# KiCad board [DFR1142]Lite Carrier for LattePanda Mu.kicad_pcb (continued)
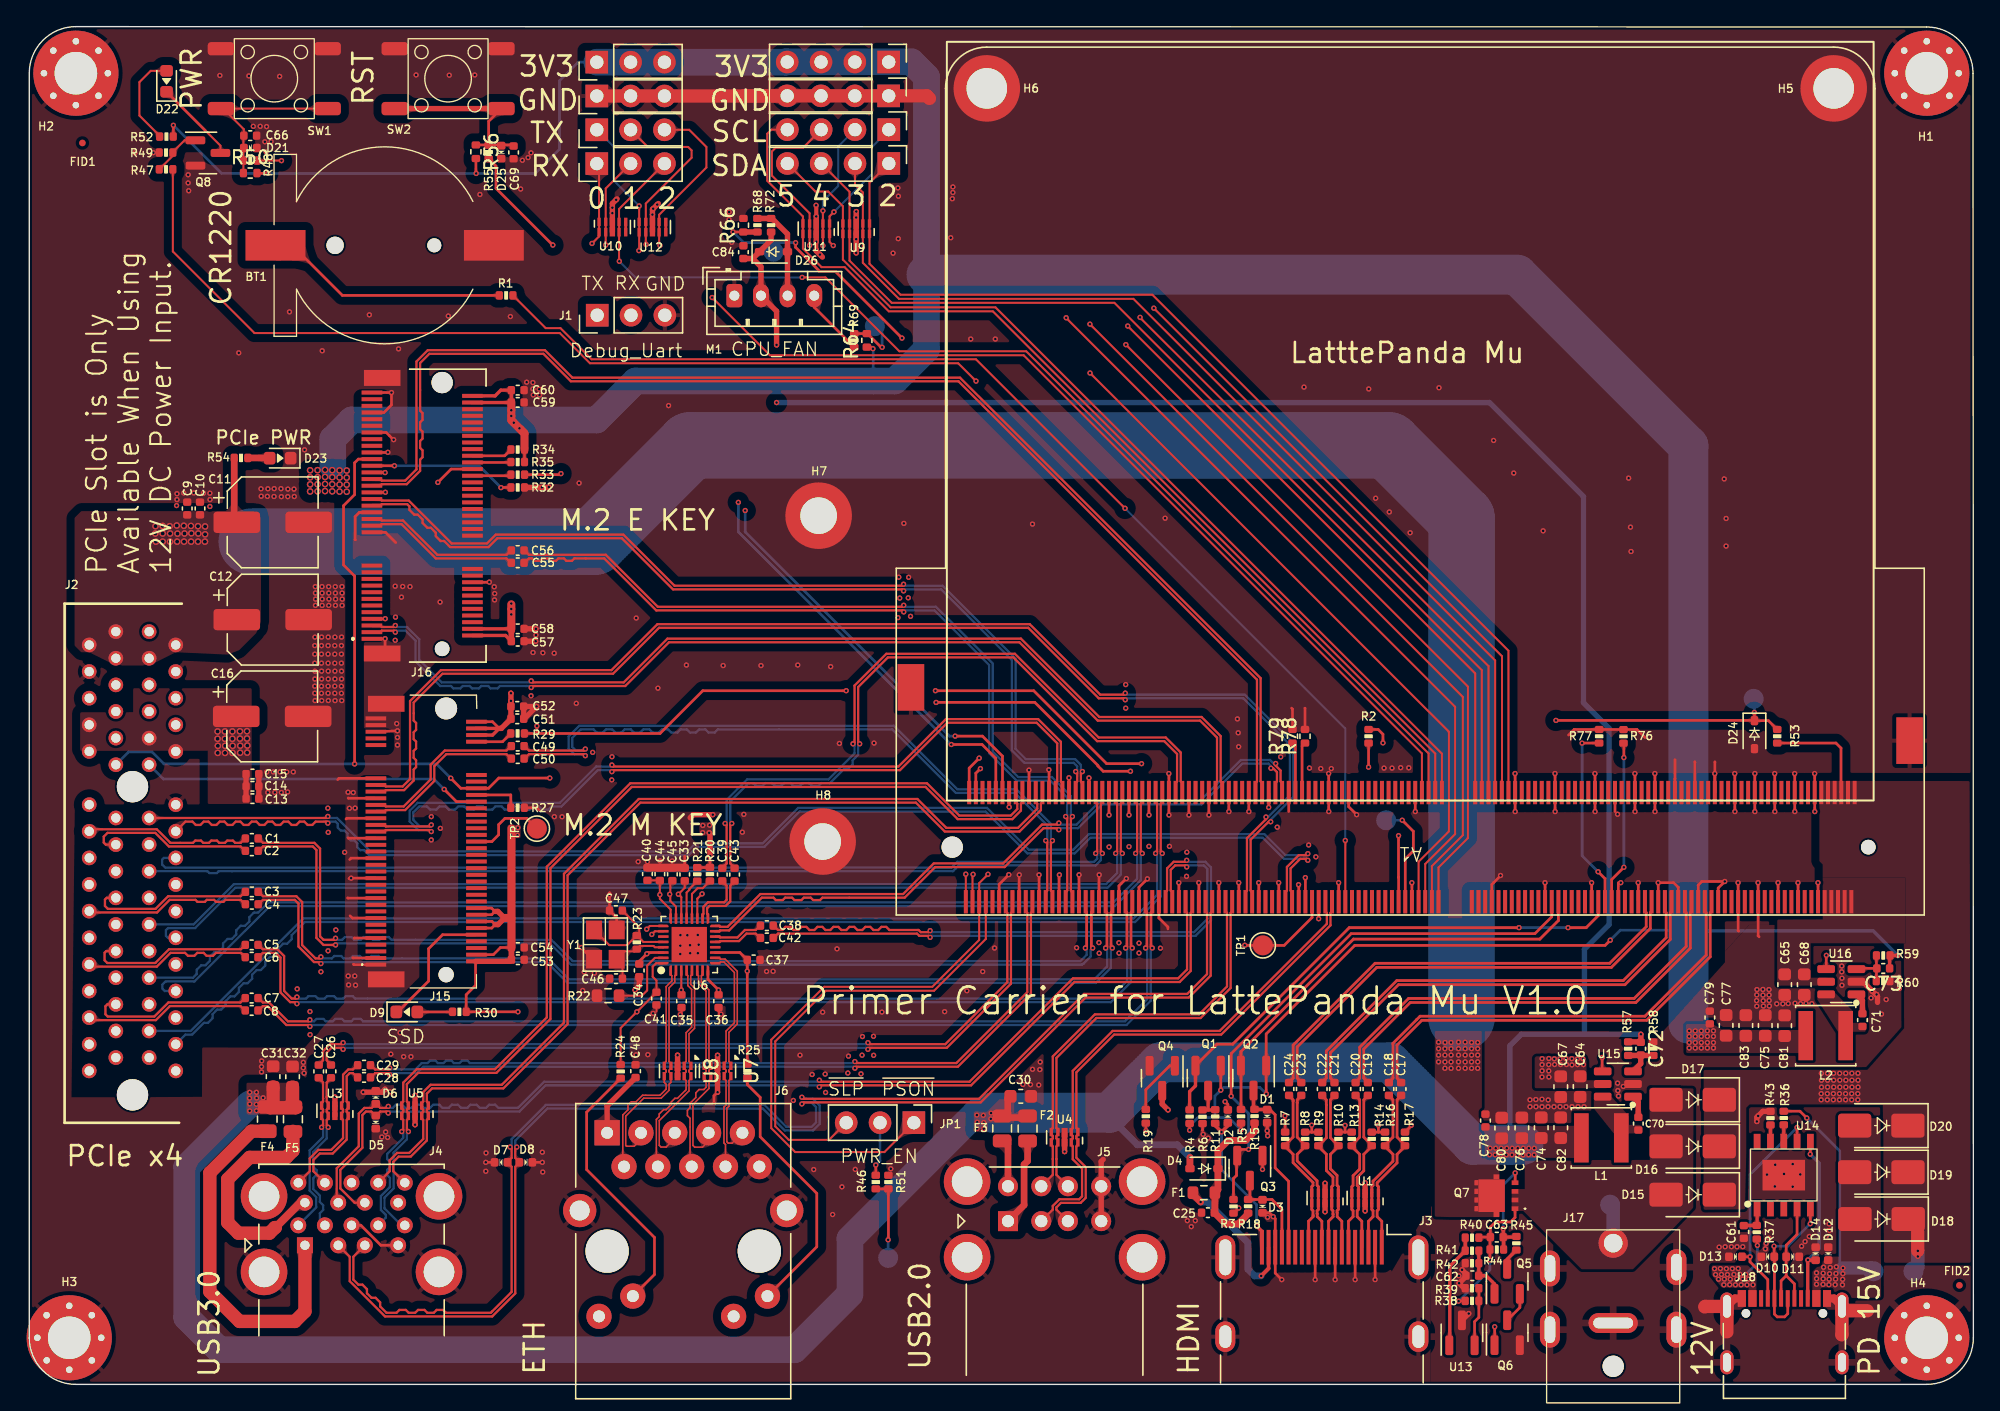
[diagram p0: board, top side]
## Routing (per net, layer and track width the routed paths; a pad name or vN(x,y) marks a point on that pad's centre or on a via; arc(x,y) is an arc through that point) (continued)
  Top w0.15: v1(82.49,79.51) 108.58,53.41 A1.146 ; v1(58.6,85.56) U11.7 58.6,87.98 55.77,90.81 55.77,92.62 56.06,92.91 58.12,92.91 J9.3
  In2.PWR w0.15: v1(82.49,79.51) 79.18,82.82 60.46,82.82 58.6,84.68 v1(58.6,85.56)
/GPIO/I2C4_SDA: length 77.6
  Top w0.15: J7.3 61.6,89.59 U9.7 61.6,84.42 64.77,81.25 81.49,81.25 109.08,53.65 A1.148
/GPIO/I2C5_SCL: length 77.5
  Top w0.15: A1.142 105.58,47.39 72.37,80.61 64.55,80.61 61.23,83.93 59.5,83.93 58.1,85.33 U11.6 U11.5 58.1,87.74 55.42,90.42 55.42,93.95 55.73,94.26 J9.4
/GPIO/I2C5_SDA: length 72.8
  Top w0.15: A1.144 106.08,47.38 72.56,80.91 64.69,80.91 61.1,84.5 U9.6 61.1,88.51 60,89.61 59.04,89.61 J7.4
/GPIO/SOC_UART0_RX: length 99.5
  Top w0.15: v1(79.66,75.98) 106.61,49.03 106.61,41.54 104.33,39.26 A1.137 ; J8.1 42.79,91.54 U10.1 42.79,86.24 v1(42.26,85.71)
  In2.PWR w0.15: v1(42.26,85.71) 42.89,85.08 44.72,85.08 50.54,79.26 76.38,79.26 v1(79.66,75.98)
/GPIO/SOC_UART0_TX: length 101.5
  Top w0.15: v1(45.78,85.17) 45.8,85.19 U12.1 v1(45.8,88.53) ; A1.139 104.83,39.09 107.08,41.34 107.08,50.9 77.87,80.11 v1(77.87,80.13)
  In2.PWR w0.15: v1(77.87,80.13) 50.8,80.13 45.78,85.15 v1(45.78,85.17)
  Bottom w0.15: J10.1 43.9,92.97 43.9,90.43 v1(45.8,88.53)
/GPIO/SOC_UART1_RX: length 101.7
  Top w0.15: A1.141 105.33,38.93 107.66,41.26 107.66,51.64 v1(79.65,79.65) ; J8.2 43.29,89.84 U10.2 v1(43.29,85.59)
  In2.PWR w0.15: v1(43.29,85.59) 44.67,85.59 50.61,79.65 v1(79.65,79.65)
/GPIO/SOC_UART1_TX: length 106.3
  Top w0.15: J10.2 46.45,92.96 49.48,92.96 49.74,92.7 49.74,92.15 46.3,88.71 U12.2 46.3,85.66 v1(46.32,85.63) ; v1(82.35,78.11) 108.04,52.42 108.04,41.04 105.83,38.83 A1.143
  In2.PWR w0.15: v1(82.35,78.11) 79.86,80.59 51.37,80.59 46.33,85.63 v1(46.32,85.63)
/GPIO/SOC_UART2_RX: length 87.8
  Top w0.15: A1.140 105.08,47.4 74.87,77.61 65.34,77.61 59.79,83.16 v1(58.04,83.16) ; v1(44.31,84.37) 44.29,84.39 U10.4 44.29,88.3 J8.3
  Bottom w0.15: v1(58.04,83.16) 45.52,83.16 v1(44.31,84.37)
/GPIO/SOC_UART2_TX: length 88.6
  Top w0.15: v1(47.36,85.55) 47.3,85.62 U12.4 47.3,87.86 50.85,91.41 50.85,92.96 49.56,94.25 J10.3 ; A1.138 104.58,47.4 74.68,77.31 55.62,77.31 v1(51.28,81.65)
  In2.PWR w0.15: v1(51.28,81.65) 51.27,81.65 v1(47.36,85.55)
/HDMI/DDC_SCL: length 13.4
  Top w0.2: 93.19,20.63 93.56,20.26 93.56,16.27 94.57,15.26 J3.15
  Top w0.25: Q2.3 91.94,20.93 92.22,20.65 93.17,20.65 93.19,20.63
/HDMI/DDC_SDA: length 7.3
  Top w0.205: J3.16 94.07,13.14 93.32,13.89 R18.2 91.66,14.02 91.66,15.45
/HDMI/DDI_B_DDC_SCL: length 33.7
  Top w0.209: R5.2 91,23.94 Q2.2 90.99,25 99.44,33.45 113.44,33.45 114.83,34.84 A1.171
/HDMI/DDI_B_DDC_SDA: length 41.7
  Top w0.2: v1(90.26,21.65) 90.26,24.85 99.27,33.86 113.07,33.86 114.33,35.12 A1.169 ; 90.71,17.33 91.04,17.65 v1(91.56,17.65)
  Top w0.205: Q3.2 90.66,17.14 90.66,15.7 90.43,15.47 R3.2
  Bottom w0.2: v1(91.56,17.65) 91.56,17.6 91.56,20.35 v1(90.26,21.65)
/HDMI/DDI_B_HPD: length 39.5
  Top w0.209: v1(111.88,34.31) 99.13,34.31 90.38,25.56 89.19,25.56 Q1.2 ; v1(115.56,34.31) 116.92,34.31 117.83,35.23 A1.183
  Top w0.25: Q1.2 87.58,22.43 87.14,21.99 R4.2
  Bottom w0.209: v1(111.88,34.31) v1(115.56,34.31)
/HDMI/DDI_B_TX0+: length 33.4
  Top w0.205: A1.217 126.33,35.53 126.24,35.44 126.24,32.12 121.46,27.35 104.58,27.35 102.72,25.49 102.72,23.01 103.02,22.7 C17.1
/HDMI/DDI_B_TX0-: length 33.4
  Top w0.205: A1.215 125.83,35.53 125.93,35.44 125.93,32.25 121.34,27.66 104.45,27.66 102.41,25.62 102.41,23.01 102.1,22.7 C18.1
/HDMI/DDI_B_TX1+: length 33.8
  Top w0.205: C19.1 100.52,22.7 100.22,23.01 100.22,25.19 103.71,28.69 120.65,28.69 124.74,32.77 124.74,35.44 124.83,35.53 A1.211
/HDMI/DDI_B_TX1-: length 33.8
  Top w0.205: C20.1 99.6,22.7 99.91,23.01 99.91,25.32 103.58,28.99 120.52,28.99 124.43,32.9 124.43,35.44 124.33,35.53 A1.209
/HDMI/DDI_B_TX2+: length 34.3
  Top w0.205: A1.205 123.33,35.53 123.24,35.44 123.24,33.43 119.83,30.03 102.83,30.03 97.71,24.91 97.71,23.01 98.02,22.7 C21.1
/HDMI/DDI_B_TX2-: length 34.3
  Top w0.205: A1.203 122.83,35.53 122.93,35.44 122.93,33.56 119.71,30.33 102.7,30.33 97.4,25.04 97.4,23.01 97.1,22.7 C22.1
/HDMI/DDI_B_TX3+: length 35.1
  Top w0.205: C23.1 95.53,22.7 95.22,23.01 95.22,25.35 101.19,31.33 118.81,31.33 121.74,34.25 121.74,35.44 121.83,35.53 A1.199
/HDMI/DDI_B_TX3-: length 35.1
  Top w0.205: C24.1 94.61,22.7 94.91,23.01 94.91,25.48 101.07,31.63 118.69,31.63 121.43,34.38 121.43,35.44 121.33,35.53 A1.197
/HDMI/HPD: length 11.7
  Top w0.25: J3.19 92.57,11.49 v1(92.16,11.9) ; R11.2 89.06,19.44 v1(89.54,18.96) 90.01,19.43 D2.2
  Bottom w0.2: v1(89.54,18.96) 89.54,16.12 92.16,13.5 v1(92.16,11.9)
/HDMI/TMDS_CK+: length 12.9
  Top w0.205: 95.8,17.93 95.8,17.88 ; J3.10 97.07,12.26 96.72,12.6 96.72,12.81 96.71,12.82 96.71,13.04 96.81,13.14 U2.7 U2.4 96.81,14.85 96.71,14.95 96.71,15.29 95.22,16.79 95.22,17.28 95.81,17.88 R8.1 95.81,17.98 95.22,18.58 95.22,21.16 95.22,21.16 95.22,21.37 95.53,21.68 C23.2
/HDMI/TMDS_CK-: length 12.9
  Top w0.205: 94.4,17.93 94.4,17.88 ; C24.2 94.61,21.68 94.91,21.37 94.91,21.28 94.91,18.58 94.31,17.98 R7.1 94.31,17.88 94.91,17.28 94.91,16.66 96.41,15.16 96.41,14.95 96.31,14.85 U2.5 U2.6 96.31,13.14 96.41,13.04 96.41,12.7 96.42,12.69 96.42,12.6 96.07,12.26 J3.12
/HDMI/TMDS_D0+: length 12.5
  Top w0.205: J3.7 98.57,12.26 98.22,12.6 98.22,12.9 98.21,12.91 98.21,13.04 98.31,13.14 U2.10 U2.1 98.31,14.85 98.21,14.95 98.21,15.7 97.72,16.19 97.72,17.28 98.31,17.88 R10.1 97.72,18.53 97.72,21.11 97.71,21.11 97.71,21.37 98.02,21.68 C21.2
/HDMI/TMDS_D0-: length 12.5
  Top w0.205: J3.9 97.57,12.26 97.92,12.6 97.92,12.78 97.91,12.79 97.91,13.04 97.81,13.14 U2.9 U2.2 97.81,14.85 97.91,14.95 97.91,15.57 97.41,16.06 97.41,17.28 96.81,17.88 R9.1 97.41,18.53 97.41,20.99 97.4,21 97.4,21.37 97.1,21.68 C22.2
/HDMI/TMDS_D1+: length 12.5
  Top w0.205: J3.4 100.07,12.26 99.72,12.6 99.72,13.04 99.82,13.14 U1.7 U1.4 99.82,14.85 99.72,14.95 99.72,15.55 100.22,16.05 100.22,17.28 100.81,17.88 R14.1 100.81,17.98 100.22,18.58 100.22,21.37 100.52,21.68 C19.2
/HDMI/TMDS_D1-: length 12.5
  Top w0.205: C20.2 99.6,21.68 99.91,21.37 99.91,18.58 99.31,17.98 R13.1 99.31,17.88 99.91,17.28 99.91,16.17 99.42,15.68 99.42,14.95 99.32,14.85 U1.5 U1.6 99.32,13.14 99.42,13.04 99.42,12.6 99.07,12.26 J3.6
/HDMI/TMDS_D2+: length 12.9
  Top w0.205: J3.1 101.57,12.26 101.22,12.6 101.22,13.04 101.32,13.14 U1.10 U1.1 101.32,14.85 101.22,14.95 101.22,15.14 102.72,16.64 102.72,17.28 103.31,17.88 R17.1 103.31,17.98 102.72,18.58 102.72,21.37 103.02,21.68 C17.2
/HDMI/TMDS_D2-: length 12.9
  Top w0.205: J3.3 100.57,12.26 100.92,12.6 100.92,13.04 100.82,13.14 U1.9 U1.2 100.82,14.85 100.92,14.95 100.92,15.27 102.41,16.77 102.41,17.28 101.81,17.88 R16.1 101.81,17.98 102.41,18.58 102.41,21.37 102.1,21.68 C18.2
/LattePanda Module/HSIO_0_TX+: length 61
  Top w0.17: v1(23.57,25.67) 23.46,25.56 22.58,25.56 22.06,25.03 22.06,24.35 21.74,24.02 C27.1 ; v1(62.98,25.67) 63.09,25.56 68.79,25.56 73.45,30.21 73.45,35.42 73.33,35.53 A1.13
  Bottom w0.17: v1(62.98,25.67) 62.87,25.56 23.68,25.56 v1(23.57,25.67)
/LattePanda Module/HSIO_0_TX-: length 61
  Top w0.17: C26.1 22.66,24.02 22.33,24.35 22.33,24.92 22.7,25.28 23.46,25.28 v1(23.57,25.17) ; v1(62.98,25.17) 63.09,25.28 68.9,25.28 73.72,30.1 73.72,35.42 73.83,35.53 A1.15
  Bottom w0.17: v1(62.98,25.17) 62.87,25.28 23.68,25.28 v1(23.57,25.17)
/LattePanda Module/HSIO_1_TX+: length 59.4
  Top w0.17: v1(27.07,23.77) 26.96,23.66 25.97,23.66 25.65,23.98 C29.1 ; A1.19 74.83,35.53 74.95,35.42 74.95,29.46 69.62,24.14 62.11,24.14 v1(62,24.25)
  Bottom w0.17: v1(62,24.25) 61.89,24.14 33.09,24.14 32.91,24.32 32.49,24.32 32.31,24.14 31.89,24.14 31.71,24.32 31.29,24.32 31.11,24.14 30.69,24.14 30.51,24.32 30.09,24.32 29.91,24.14 29.47,24.14 28.99,23.66 27.18,23.66 v1(27.07,23.77)
/LattePanda Module/HSIO_1_TX-: length 59.4
  Top w0.17: C28.1 25.65,23.06 25.97,23.38 26.96,23.38 v1(27.07,23.27) ; A1.21 75.33,35.53 75.22,35.42 75.22,29.35 69.73,23.86 62.11,23.86 v1(62,23.75)
  Bottom w0.17: v1(62,23.75) 61.89,23.86 29.59,23.86 29.11,23.38 27.18,23.38 v1(27.07,23.27)
/LattePanda Module/HSIO_2_RX+: length 63.4
  Top w0.17: v1(43.75,46.03) 43.86,46.14 65.39,46.14 68.95,49.7 75.65,49.7 77.2,48.16 77.2,45.3 77.08,45.18 A1.28 ; v1(30.19,42.03) 30.08,41.92 26.77,41.92 26.66,42.03 J15.43
  Bottom w0.17: v1(43.75,46.03) 43.64,46.14 42.69,46.14 39.96,43.41 39.2,43.41 38.97,43.18 38.5,43.18 38.27,43.41 37.8,43.41 37.57,43.18 37.1,43.18 36.87,43.41 36.4,43.41 36.17,43.18 35.7,43.18 35.47,43.41 35,43.41 34.77,43.18 34.3,43.18 34.07,43.41 33.6,43.41 33.37,43.18 32.9,43.18 32.67,43.41 32.2,43.41 31.97,43.18 31.5,43.18 31.27,43.41 30.8,43.41 30.57,43.18 30.1,43.18 29.87,43.41 29.28,43.41 28.84,42.97 28.84,42.41 29.33,41.92 30.08,41.92 v1(30.19,42.03)
/LattePanda Module/HSIO_2_RX-: length 63.4
  Top w0.17: v1(30.19,41.53) 30.08,41.64 26.77,41.64 26.66,41.53 J15.41 ; v1(43.75,46.53) 43.86,46.42 65.28,46.42 68.84,49.98 75.77,49.98 77.47,48.27 77.47,45.3 77.58,45.18 A1.30
  Bottom w0.17: v1(43.75,46.53) 43.64,46.42 42.57,46.42 39.84,43.69 29.16,43.69 28.56,43.09 28.56,42.29 29.21,41.64 30.08,41.64 v1(30.19,41.53)
/LattePanda Module/HSIO_2_TX+: length 52.8
  Top w0.17: A1.25 76.33,36.98 76.45,37.1 76.45,40.74 v1(76.33,40.85) ; v1(41.76,47.73) 41.65,47.62 37.52,47.62 37.19,47.95 C49.1
  Bottom w0.17: v1(41.76,47.73) 41.65,47.62 41.05,47.62 40.78,47.89 40.78,48.56 41.42,49.2 42.38,49.2 42.61,48.97 43.08,48.97 43.31,49.2 43.78,49.2 44.01,48.97 44.48,48.97 44.71,49.2 45.18,49.2 45.41,48.97 45.88,48.97 46.11,49.2 46.58,49.2 46.81,48.97 47.28,48.97 47.51,49.2 47.98,49.2 48.21,48.97 48.68,48.97 48.91,49.2 49.38,49.2 49.61,48.97 50.08,48.97 50.31,49.2 50.78,49.2 51.01,48.97 51.48,48.97 51.71,49.2 64.81,49.2 69.58,44.43 74.01,44.43 76.45,42 76.45,40.96 v1(76.33,40.85)
/LattePanda Module/HSIO_2_TX-: length 52.8
  Top w0.17: C50.1 37.19,47.01 37.52,47.34 41.65,47.34 v1(41.76,47.23) ; v1(76.84,40.85) 76.72,40.74 76.72,37.1 76.83,36.98 A1.27
  Bottom w0.17: v1(41.76,47.23) 41.65,47.34 40.93,47.34 40.5,47.77 40.5,48.68 41.3,49.48 64.93,49.48 69.7,44.71 74.13,44.71 76.72,42.11 76.72,40.96 v1(76.84,40.85)
/LattePanda Module/HSIO_3_RX+: length 68.3
  Top w0.17: v1(78.58,46.04) 78.7,45.93 78.7,45.3 78.58,45.18 A1.34 ; v1(65.66,59.61) 65.55,59.72 48.34,59.72 44.5,63.56 35.15,63.56 34.49,62.9 31.6,62.9 31.15,63.36 30.89,63.36 30.53,63.72 30.53,63.98 30.16,64.35 29.9,64.35 29.54,64.71 29.54,64.97 29.17,65.34 28.91,65.34 28.55,65.7 28.55,65.96 28.38,66.12 26.47,66.12 26.36,66.01 J16.41
  Bottom w0.17: v1(78.58,46.04) 78.7,46.15 78.7,46.43 78.43,46.69 74.73,46.69 73.79,47.63 73.79,54.41 68.48,59.72 65.77,59.72 v1(65.66,59.61)
/LattePanda Module/HSIO_3_RX-: length 68.3
  Top w0.17: A1.36 79.08,45.18 78.97,45.3 78.97,45.93 v1(79.09,46.04) ; J16.43 26.36,66.51 26.47,66.4 28.5,66.4 31.72,63.18 34.37,63.18 35.03,63.84 44.62,63.84 48.46,60 65.55,60 v1(65.66,60.11)
  Bottom w0.17: v1(65.66,60.11) 65.77,60 68.59,60 74.07,54.52 74.07,47.75 74.85,46.97 78.55,46.97 78.97,46.54 78.97,46.15 v1(79.09,46.04)
/LattePanda Module/HSIO_3_TX+: length 60.8
  Top w0.17: C55.1 37.19,61.72 37.52,62.05 37.75,62.05 37.93,61.87 38.35,61.87 38.53,62.05 38.95,62.05 39.13,61.87 39.55,61.87 39.73,62.05 40.15,62.05 40.33,61.87 40.75,61.87 40.93,62.05 43.18,62.05 47.08,58.14 65.56,58.14 v1(65.67,58.03) ; v1(77.83,42.66) 77.95,42.55 77.95,37.1 77.83,36.98 A1.31
  Bottom w0.17: v1(77.83,42.66) 77.95,42.77 77.95,44.09 76.68,45.35 74.15,45.35 72.08,47.42 72.08,54.04 67.98,58.14 65.78,58.14 v1(65.67,58.03)
/LattePanda Module/HSIO_3_TX-: length 60.8
  Top w0.17: v1(78.34,42.66) 78.22,42.55 78.22,37.1 78.33,36.98 A1.33 ; C56.1 37.19,62.65 37.52,62.32 43.29,62.32 47.2,58.42 65.56,58.42 v1(65.67,58.53)
  Bottom w0.17: v1(78.34,42.66) 78.22,42.77 78.22,44.2 76.8,45.63 74.27,45.63 72.36,47.54 72.36,54.16 68.1,58.42 65.78,58.42 v1(65.67,58.53)
/LattePanda Module/HSIO_8_RX+: length 77.2
  Top w0.17: A1.40 80.08,43.73 80.2,43.62 80.2,40 v1(80.08,39.89)
  Bottom w0.17: v1(80.08,39.89) 80.2,39.78 80.2,39.49 79.96,39.26 69.69,39.26 69.26,38.82 10.21,38.82 9.98,39.05 9.98,39.43 10.1,39.55 J2.A16
/LattePanda Module/HSIO_8_RX-: length 77.2
  Top w0.17: v1(80.59,39.89) 80.47,40 80.47,43.62 80.58,43.73 A1.42
  Bottom w0.17: J2.A17 13.38,38.55 13.52,38.41 14.08,38.41 14.22,38.55 69.37,38.55 69.81,38.98 80.08,38.98 80.47,39.38 80.47,39.78 v1(80.59,39.89)
/LattePanda Module/HSIO_8_TX+: length 74.8
  Top w0.17: v1(23,33.51) 22.89,33.4 22.09,33.4 21.84,33.66 21.84,40.25 21.41,40.68 17.55,40.68 17.22,41.01 C1.1
  Top w0.201: A1.37 79.33,35.53 79.41,35.46 79.41,32.88 v1(79.31,32.78)
  Bottom w0.17: v1(23,33.51) 23.11,33.4 23.5,33.4 23.7,33.6 24.2,33.6 24.4,33.4 24.9,33.4 25.1,33.6 25.6,33.6 25.8,33.4 26.3,33.4 26.5,33.6 27,33.6 27.2,33.4 39.2,33.4 40.8,31.8 78.94,31.8 79.41,32.27 79.41,32.68 v1(79.31,32.78)
/LattePanda Module/HSIO_8_TX-: length 74.8
  Top w0.17: C2.1 17.22,40.08 17.55,40.41 21.3,40.41 21.56,40.14 21.56,33.54 22.09,33.01 v1(23,33.01)
  Top w0.201: v1(79.86,32.78) 79.76,32.88 79.76,35.46 79.83,35.53 A1.39
  Bottom w0.17: v1(79.86,32.78) 79.71,32.63 79.71,32.14 79.16,31.59 79.11,31.59 79.05,31.53 40.69,31.53 39.09,33.13 23.11,33.13 v1(23,33.01)
/LattePanda Module/HSIO_9_RX+: length 80.5
  Top w0.17: A1.46 81.58,43.73 81.7,43.62 81.7,40 v1(81.58,39.89)
  Bottom w0.17: J2.A21 12.34,34.55 15.37,37.58 80.87,37.58 81.7,38.41 81.7,39.78 v1(81.58,39.89)
/LattePanda Module/HSIO_9_RX-: length 81
  Top w0.17: A1.48 82.08,43.73 81.97,43.62 81.97,40 v1(82.09,39.89)
  Bottom w0.17: J2.A22 10.41,33.55 10.26,33.7 10.26,34.12 10.42,34.28 12.45,34.28 15.48,37.31 80.98,37.31 81.97,38.3 81.97,39.78 v1(82.09,39.89)
/LattePanda Module/HSIO_9_TX+: length 74.4
  Top w0.17: C3.1 17.22,37 17.55,36.67 20.05,36.67 20.49,36.24 20.49,33.01 21.49,32 21.79,32 v1(21.9,32.11)
  Top w0.201: v1(80.83,32.78) 80.93,32.88 80.93,35.44 80.83,35.53 ; 80.91,35.46 80.83,35.53 ; 80.83,35.53 A1.43
  Bottom w0.17: v1(80.83,32.78) 80.95,32.67 80.95,31.4 79.98,30.43 40.53,30.43 38.96,32 26.4,32 26.22,32.18 25.7,32.18 25.52,32 25,32 24.82,32.18 24.3,32.18 24.12,32 23.6,32 23.42,32.18 22.9,32.18 22.72,32 22.01,32 v1(21.9,32.11)
/LattePanda Module/HSIO_9_TX-: length 74.4
  Top w0.17: v1(21.9,31.61) 21.79,31.73 21.38,31.73 20.21,32.89 20.21,36.13 19.94,36.4 17.55,36.4 17.22,36.07 C4.1
  Top w0.201: 81.33,35.53 A1.45 ; 81.33,35.53 81.26,35.46 ; 81.33,35.53 81.24,35.44 81.24,32.88 v1(81.34,32.78)
  Bottom w0.17: v1(81.34,32.78) 81.22,32.67 81.22,31.29 80.09,30.16 40.42,30.16 38.85,31.73 22.01,31.73 v1(21.9,31.61)
/LattePanda Module/HSIO_10_RX+: length 84.8
  Top w0.17: v1(83.08,39.89) 83.2,40 83.2,43.62 83.08,43.73 A1.52
  Bottom w0.17: v1(83.08,39.89) 83.2,39.78 83.2,37.99 81.41,36.2 17.95,36.2 17.19,35.44 16.87,35.44 16.53,35.11 16.53,34.79 16.2,34.45 15.88,34.45 15.54,34.12 15.54,33.8 15.21,33.46 14.89,33.46 14.55,33.13 14.55,32.81 14.22,32.47 13.9,32.47 13.56,32.14 13.56,31.82 13.23,31.48 12.91,31.48 12.57,31.15 12.57,30.83 12.3,30.55 J2.A25
/LattePanda Module/HSIO_10_RX-: length 84.8
  Top w0.17: v1(83.59,39.89) 83.47,40 83.47,43.62 83.58,43.73 A1.54
  Bottom w0.17: J2.A26 10.17,29.55 10,29.72 10,30.04 10.23,30.27 12.4,30.27 18.06,35.93 81.52,35.93 83.47,37.88 83.47,39.78 v1(83.59,39.89)
/LattePanda Module/HSIO_10_TX+: length 75.7
  Top w0.17: v1(20.1,29.1) 19.99,28.99 19.71,28.99 19.14,29.56 19.14,32.18 18.63,32.69 17.54,32.69 17.21,33.02 C5.1
  Top w0.201: A1.49 82.33,35.53 ; 82.33,35.53 82.43,35.44 82.43,32.88 v1(82.33,32.78) ; 82.33,35.53 82.41,35.46
  Bottom w0.17: v1(20.1,29.1) 20.21,28.99 20.78,28.99 20.97,29.17 21.48,29.17 21.67,28.99 22.18,28.99 22.37,29.17 22.88,29.17 23.07,28.99 23.58,28.99 23.77,29.17 24.28,29.17 24.47,28.99 81.11,28.99 82.45,30.32 82.45,32.67 v1(82.33,32.78)
/LattePanda Module/HSIO_10_TX-: length 75.7
  Top w0.17: C6.1 17.21,32.09 17.54,32.42 18.51,32.42 18.86,32.07 18.86,29.44 19.59,28.71 19.99,28.71 v1(20.1,28.6)
  Top w0.201: v1(82.84,32.78) 82.74,32.88 82.74,35.44 82.83,35.53 ; A1.51 82.83,35.53 ; 82.83,35.53 82.76,35.46
  Bottom w0.17: v1(20.1,28.6) 20.21,28.71 81.23,28.71 82.72,30.21 82.72,32.67 v1(82.84,32.78)
/LattePanda Module/HSIO_11_RX+: length 87.8
  Top w0.17: v1(84.58,39.89) 84.7,40 84.7,43.62 84.58,43.73 A1.58
  Bottom w0.17: J2.A29 12.12,26.55 20.57,35.01 82.93,35.01 84.7,36.77 84.7,39.78 v1(84.58,39.89)
/LattePanda Module/HSIO_11_RX-: length 87.8
  Top w0.17: v1(85.09,39.89) 84.97,40 84.97,43.62 85.08,43.73 A1.60
  Bottom w0.17: J2.A30 11.73,26.28 12.23,26.28 13.12,27.16 13.42,27.16 13.76,27.51 13.76,27.81 14.11,28.15 14.41,28.15 14.75,28.5 14.75,28.8 15.1,29.14 15.4,29.14 15.74,29.49 15.74,29.79 16.09,30.13 16.39,30.13 16.73,30.48 16.73,30.78 17.08,31.12 17.38,31.12 17.72,31.47 17.72,31.77 18.07,32.11 18.37,32.11 18.71,32.46 18.71,32.76 19.06,33.1 19.36,33.1 19.7,33.45 19.7,33.75 20.69,34.73 83.05,34.73 84.97,36.66 84.97,39.78 v1(85.09,39.89)
/LattePanda Module/HSIO_11_TX+: length 76.3
  Top w0.17: C7.1 17.21,29.02 17.54,28.69 18,28.69 19.42,27.27 20.96,27.27 v1(21.07,27.39)
  Top w0.201: 83.83,35.53 83.93,35.44 83.93,32.88 v1(83.83,32.78) ; 83.83,35.53 A1.55 ; 83.83,35.53 83.91,35.46
  Bottom w0.17: v1(83.83,32.78) 83.95,32.67 83.95,28.93 82.29,27.27 25.07,27.27 24.89,27.45 24.37,27.45 24.19,27.27 23.67,27.27 23.49,27.45 22.97,27.45 22.79,27.27 22.27,27.27 22.09,27.45 21.57,27.45 21.39,27.27 21.19,27.27 v1(21.07,27.39)
/LattePanda Module/HSIO_11_TX-: length 76.3
  Top w0.17: v1(21.07,26.89) 20.96,27 19.31,27 17.89,28.42 17.54,28.42 17.21,28.09 C8.1
  Top w0.201: 84.33,35.53 84.26,35.46 ; 84.33,35.53 A1.57 ; 84.33,35.53 84.24,35.44 84.24,32.88 v1(84.34,32.78)
  Bottom w0.17: v1(21.07,26.89) 21.19,27 82.4,27 84.22,28.82 84.22,32.67 v1(84.34,32.78)
/LattePanda Module/REFCLK0+: length 94.6
  Top w0.17: v1(92.88,42.62) 92.88,42.46 91.45,41.03 91.45,37.1 91.33,36.98 A1.85 ; v1(82.31,51.43) 82.2,51.54 80.31,51.54 75.02,56.84 47.29,56.84 43.83,53.38 31.03,53.38 28.87,51.22 28.87,49.87 29.05,49.69 29.05,49.17 28.87,48.99 28.87,48.47 29.05,48.29 29.05,47.77 28.87,47.59 28.87,47.07 29.05,46.89 29.05,46.37 28.87,46.19 28.87,45.36 28.15,44.64 26.77,44.64 26.66,44.53 J15.53
  Bottom w0.17: v1(82.31,51.43) 82.42,51.54 91.17,51.54 94.66,48.05 94.66,44.25 93.04,42.62 v1(92.88,42.62)
/LattePanda Module/REFCLK0-: length 94.6
  Top w0.17: v1(93.23,42.27) 93.07,42.27 91.72,40.92 91.72,37.1 91.83,36.98 A1.87 ; v1(82.31,51.93) 82.2,51.82 80.43,51.82 75.13,57.11 47.18,57.11 43.72,53.66 30.91,53.66 28.59,51.34 28.59,45.48 28.03,44.92 26.77,44.92 26.66,45.03 J15.55
  Bottom w0.17: v1(82.31,51.93) 82.42,51.82 91.29,51.82 94.94,48.17 94.94,44.13 93.23,42.43 v1(93.23,42.27)
/LattePanda Module/REFCLK2+: length 96.6
  Top w0.17: A1.97 94.33,36.98 94.45,37.1 94.45,38.87 95.33,39.76 95.91,39.76 v1(96.02,39.87) ; v1(22.42,42.66) 22.31,42.55 J2.A13
  Bottom w0.17: v1(96.02,39.87) 95.91,39.76 94.34,39.76 92.76,41.34 79.57,41.34 78.4,40.17 75.07,40.17 71.93,43.31 57.74,43.31 55.08,40.65 50.02,40.65 49.41,40.04 25.63,40.04 23.11,42.55 22.53,42.55 v1(22.42,42.66)
/LattePanda Module/REFCLK2-: length 96.6
  Top w0.17: A1.99 94.83,36.98 94.72,37.1 94.72,38.76 95.45,39.48 95.91,39.48 v1(96.02,39.37) ; J2.A14 11.73,42.28 12.25,42.28 12.5,42.03 12.85,42.03 13.1,42.28 13.45,42.28 13.7,42.03 14.05,42.03 14.3,42.28 14.65,42.28 14.9,42.03 15.25,42.03 15.5,42.28 15.85,42.28 16.1,42.03 16.45,42.03 16.7,42.28 17.05,42.28 17.3,42.03 17.65,42.03 17.9,42.28 18.25,42.28 18.5,42.03 18.85,42.03 19.1,42.28 19.45,42.28 19.7,42.03 20.05,42.03 20.3,42.28 20.65,42.28 20.9,42.03 21.25,42.03 21.5,42.28 22.31,42.28 v1(22.42,42.16)
  Bottom w0.17: v1(96.02,39.37) 95.91,39.48 94.22,39.48 92.64,41.06 79.69,41.06 78.52,39.89 74.95,39.89 71.81,43.03 57.86,43.03 55.2,40.37 50.14,40.37 49.53,39.76 25.51,39.76 25.14,40.13 24.86,40.13 24.64,40.36 24.64,40.64 24.41,40.87 24.13,40.87 23.9,41.1 23.9,41.38 23.67,41.61 23.39,41.61 23.16,41.83 23.16,42.11 23,42.28 22.53,42.28 v1(22.42,42.16)
/LattePanda Module/REFCLK3+: length 94.4
  Top w0.17: A1.88 92.08,45.18 92.2,45.3 92.2,52.94 69.78,75.36 40.67,75.36 38.61,77.42 30.04,77.42 29.35,76.73 29.35,73.15 29.53,72.97 29.53,72.45 29.35,72.27 29.35,71.75 29.53,71.57 29.53,71.05 29.35,70.87 29.35,70.35 29.53,70.17 29.53,69.65 29.35,69.47 29.35,68.63 28.34,67.62 26.47,67.62 26.36,67.51 J16.47
/LattePanda Module/REFCLK3-: length 94.4
  Top w0.17: A1.90 92.58,45.18 92.47,45.3 92.47,53.05 69.89,75.63 40.78,75.63 38.72,77.69 29.93,77.69 29.08,76.84 29.08,68.74 28.23,67.9 26.47,67.9 26.36,68.01 J16.49
/LattePanda Module/SLS_S3: length 34.5
  Top w0.15: A1.7 71.83,33.46 67.94,29.57 59.82,29.57 56.02,25.77 56.02,19.38 57.03,18.37 60.06,18.37 JP1.3
/LattePanda Module/SUSCLK_WIFI: length 100.3
  Top w0.2: v1(39.93,68.42) 39.85,68.34 R33.2 ; A1.131 102.83,38.09 102.83,38.1 v1(102.83,41.22) ; v1(61.35,52.11) 50.58,52.11 47.37,48.9 38.12,48.9 ; R29.2 38.12,48.9 ; 38.12,48.9 v1(38.12,49.46) ; v1(83.53,46.63) 80.91,46.63 75.43,52.11 v1(68.05,52.11)
  In2.PWR w0.2: v1(38.12,49.46) 38.12,49.59 40.87,52.34 40.87,67.48 v1(39.93,68.42) ; v1(102.83,41.22) 98.74,45.31 84.85,45.31 v1(83.53,46.63) ; v1(61.35,52.11) v1(68.05,52.11)
/LattePanda Module/USB_2_P7+: length 75.3
  Top w0.17: J16.3 26.36,56.51 26.47,56.62 27.38,56.62 v1(27.49,56.51) ; v1(37.69,52.35) 37.8,52.46 44.75,52.46 48.04,55.75 74.36,55.75 80.24,49.86 87.92,49.86 89.2,48.59 89.2,45.3 89.08,45.18 A1.76
  Bottom w0.17: v1(37.69,52.35) 37.58,52.46 35.35,52.46 35.17,52.28 34.65,52.28 34.47,52.46 33.95,52.46 33.77,52.28 33.25,52.28 33.07,52.46 32.55,52.46 32.37,52.28 31.85,52.28 31.67,52.46 30.86,52.46 29.01,54.31 29.01,55.86 28.25,56.62 27.6,56.62 v1(27.49,56.51)
/LattePanda Module/USB_2_P7-: length 75.3
  Top w0.17: J16.5 26.36,57.01 26.47,56.9 27.38,56.9 v1(27.49,57.01) ; A1.78 89.58,45.18 89.47,45.3 89.47,48.7 88.04,50.14 80.36,50.14 74.47,56.02 47.93,56.02 44.64,52.74 37.8,52.74 v1(37.69,52.85)
  Bottom w0.17: v1(37.69,52.85) 37.58,52.74 30.98,52.74 29.29,54.43 29.29,55.98 28.37,56.9 27.6,56.9 v1(27.49,57.01)
/LattePanda Module/~{PWR_SW}: length 84.9
  Top w0.15: R48.2 18.93,91.94 v1(18.94,91.93) ; A1.1 70.33,38.32 v1(70.33,38.33)
  In2.PWR w0.15: v1(70.33,38.33) 70.33,38.37 70.45,38.49 70.45,50.72 59.53,61.64 52.35,61.64 22.06,91.93 v1(18.94,91.93)
/LattePanda Module/~{RST_SW}: length 72.9
  Top w0.15: A1.3 70.83,38.27 v1(70.88,38.32)
  Top w0.2: 39.31,85.59 35.05,89.85 35.05,91.52 R55.2
  In2.PWR w0.15: 39.32,85.61 v1(39.32,85.59) 39.32,78.95 56.33,61.94 59.65,61.94 70.88,50.71 v1(70.88,38.32)
/M.2 E&M Key/CON_PCIE_TX_0+: length 11.7
  Top w0.17: C55.2 36.17,61.72 35.84,62.05 30.53,62.05 27.95,64.62 26.47,64.62 26.36,64.51 J16.35
/M.2 E&M Key/CON_PCIE_TX_0-: length 11.7
  Top w0.17: C56.2 36.17,62.65 35.84,62.32 30.64,62.32 28.07,64.9 26.47,64.9 26.36,65.01 J16.37
/M.2 E&M Key/CON_PCIE_TX_1+: length 12.7
  Top w0.17: C49.2 36.17,47.95 35.84,47.62 31.2,47.62 30.14,46.56 30.14,45.45 28.11,43.42 26.77,43.42 26.66,43.53 J15.49
/M.2 E&M Key/CON_PCIE_TX_1-: length 12.7
  Top w0.17: C50.2 36.17,47.01 35.84,47.34 31.32,47.34 30.42,46.44 30.42,45.33 28.23,43.14 26.77,43.14 26.66,43.03 J15.47
/M.2 E&M Key/~{CLKREQE}: length 11.1
  Top w0.2: R32.1 35.43,67.38 v1(35.42,67.37) ; J16.53 v1(27.42,69.01)
  Bottom w0.2: v1(35.42,67.37) 33.78,69.01 v1(27.42,69.01)
/M.2 E&M Key/~{CLKREQM}: length 3.6
  Top w0.2: 33.52,44.28 36.16,44.28 R27.1
/PCIe x4/PCIE30_TX0_N: length 12.7
  Top w0.17: J2.B15 5.74,40.55 5.59,40.7 5.59,41.15 5.87,41.43 9.46,41.43 10.48,40.41 15.87,40.41 16.2,40.08 C2.2
/PCIe x4/PCIE30_TX0_P: length 12.8
  Top w0.17: J2.B14 4.65,41.7 9.58,41.7 10.6,40.68 12.29,40.68 12.46,40.85 12.89,40.85 13.06,40.68 13.49,40.68 13.66,40.85 14.09,40.85 14.26,40.68 14.69,40.68 14.86,40.85 15.29,40.85 15.46,40.68 15.87,40.68 16.2,41.01 C1.2
/PCIe x4/PCIE30_TX1_N: length 12.6
  Top w0.17: C4.2 16.2,36.07 15.87,36.4 14.73,36.4 14.58,36.25 14.03,36.25 13.88,36.4 13.33,36.4 13.18,36.25 12.63,36.25 12.48,36.4 10.54,36.4 9.59,35.45 4.6,35.45 J2.B20
/PCIe x4/PCIE30_TX1_P: length 12.5
  Top w0.17: 6.5,36.54 J2.B19 5.81,36.55 5.68,36.42 5.68,35.94 5.9,35.72 9.48,35.72 10.43,36.67 15.87,36.67 16.2,37 C3.2
/PCIe x4/PCIE30_TX2_N: length 12.7
  Top w0.17: C6.2 15.89,32.42 14.02,32.42 13.79,32.2 13.32,32.2 13.09,32.42 12.62,32.42 12.39,32.2 11.92,32.2 11.69,32.42 10.61,32.42 9.58,31.39 4.66,31.39 J2.B24
/PCIe x4/PCIE30_TX2_P: length 12.7
  Top w0.17: C5.2 15.89,32.69 10.5,32.69 9.46,31.66 5.86,31.66 5.65,31.86 5.65,32.43 5.78,32.55 J2.B23 6.5,32.55
/PCIe x4/PCIE30_TX3_N: length 12.5
  Top w0.17: C8.2 16.19,28.09 15.86,28.42 10.56,28.42 9.51,27.36 4.69,27.36 J2.B28
  Bottom w0.201: J2.B28 4.63,27.42
/PCIe x4/PCIE30_TX3_P: length 12.6
  Top w0.17: 6.5,28.55 J2.B27 5.86,28.55 5.72,28.4 5.72,27.8 5.89,27.64 9.39,27.64 10.45,28.69 15.86,28.69 16.19,29.02 C7.2
/PSU/CC1: length 16.5
  Top w0.2: U14.7 v1(132.76,19.3) ; J18.A5 130.56,7.87 129.23,9.2 v1(129.23,9.59) D13.1
  Bottom w0.2: v1(132.76,19.3) 129.23,15.77 v1(129.23,9.59)
/PSU/CC2: length 13
  Top w0.2: U14.6 133.76,17.3 v1(133.75,17.29)
  Top w0.25: D14.1 133.59,9.33 v1(133.57,9.35) 133.56,9.34 J18.B5
  Bottom w0.25: v1(133.75,17.29) 134.42,16.62 134.42,10.2 v1(133.57,9.35)
